# KiCad board Lime_RFE_fab.kicad_pcb (continued)
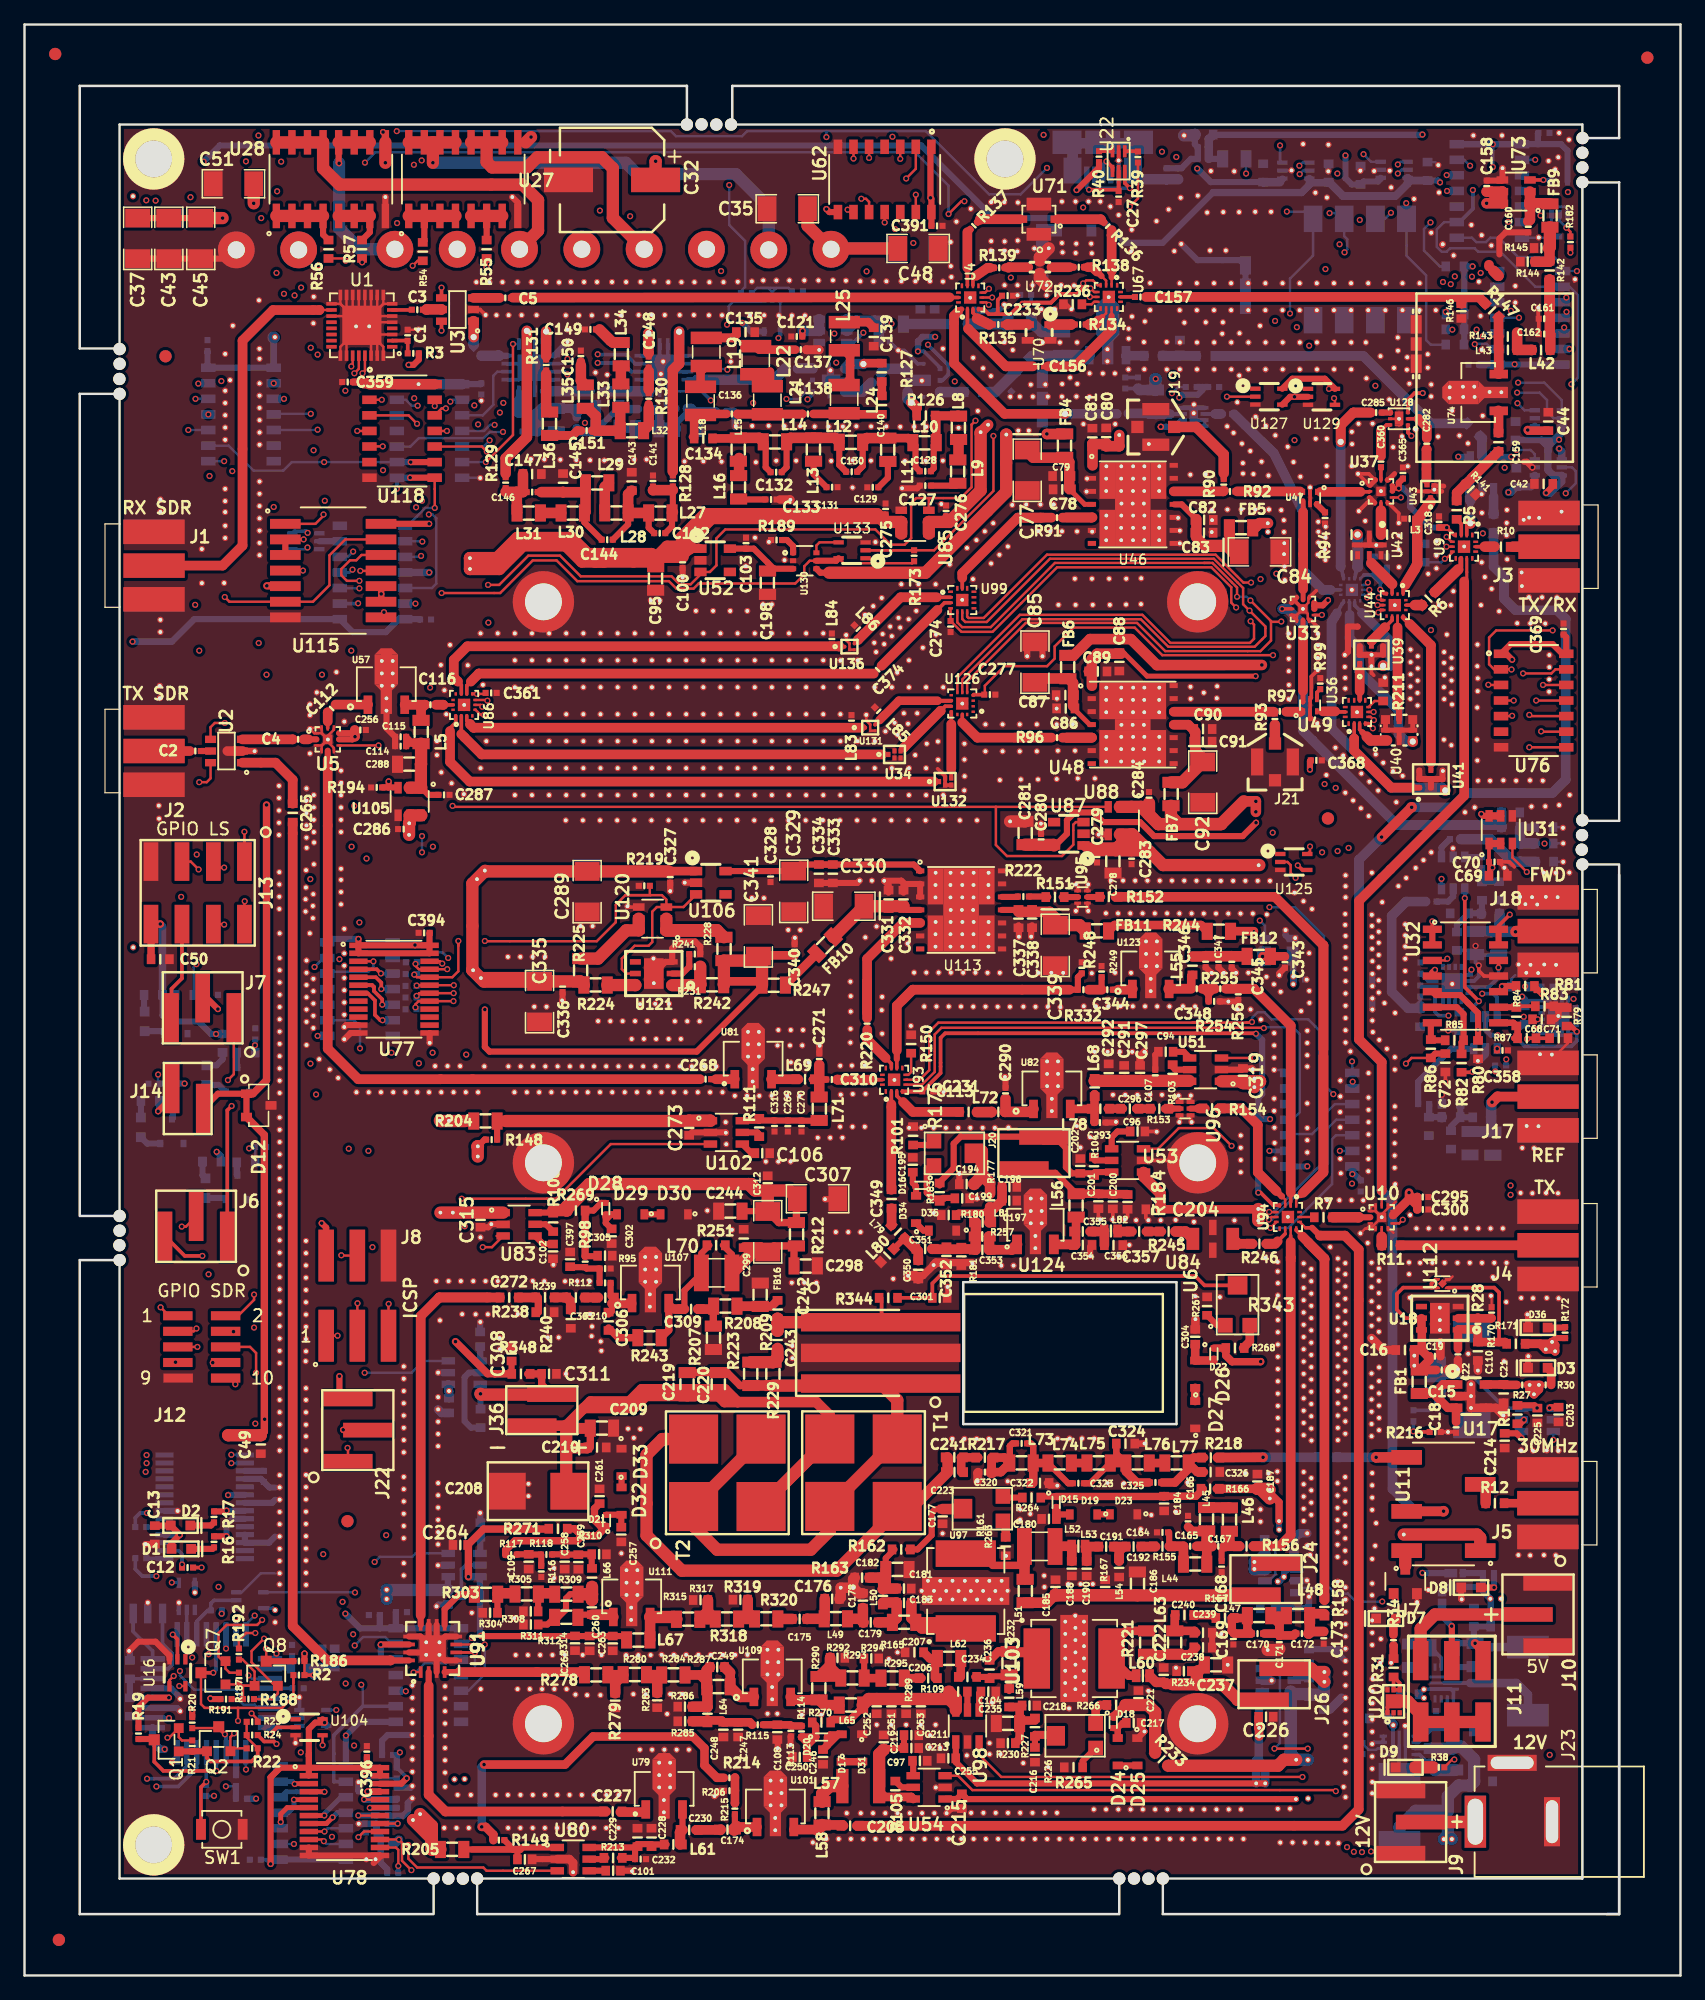
[diagram p0: board, top side]
## Placement (name value [footprint] x y rotation side) (continued)
C286  0.1uF_0402_Murata  [SMD0402]  30.9 93.43 180 top
C287  0.1uF_0402_Murata  [SMD0402]  34.2 96.22 0 top
C288  10uF_1206_Taiyo  [SMD0805]  31.36 98.71 180 top
C289  10uF_1206_Taiyo  [SMD1206]  45.87 88.33 270 top
C290  400f_0402_GJM1555C1HR40WB01D  [SMD0402]  79.98 71.89 90 top
C291  100pF_0603  [SMD0603_gap05]  89.65 73.57 90 top
C292  18pF_0603  [SMD0603]  88.39 73.54 90 top
C293  700f_0402_GRM1555C2AR70BA01D  [SMD0402]  87.67 69.51 0 top
C294  100nF_0603  [SMD0603]  118.13 125.97 315 bottom
C295  100pF_0402_GCM1555C1H101JA16D  [SMD0402]  113.99 63.44 0 top
C296  18pF_0603  [SMD0603]  90.11 70.64 180 top
C297  1nF_0603  [SMD0603_gap05]  90.94 73.57 90 top
C298  1uF_0805  [SMD0805]  63.68 57.83 0 top
C299  100nF_0603  [SMD0603]  58.63 60.06 90 top
C300  100pF_0402_GCM1555C1H101JA16D  [SMD0402]  113.99 62.42 0 top
C301  100nF_0603  [SMD0603_gap05]  74.61 55.23 180 top
C302  100nF_0603  [SMD0603_gap05]  47.86 60.24 270 top
C303  100nF_0603  [SMD0603]  44.95 55.25 180 top
C304  100nF_0603  [SMD0603_gap05]  95.44 52.05 90 top
C305  100nF_0603  [SMD0603_gap05]  47.32 58.66 0 top
C306  1500pF_0603  [SMD0603]  47.61 53.31 90 top
C307  10uF_1206_Taiyo  [SMD1206]  64.65 63.3 0 top
C308  100nF_0603  [SMD0603_gap05]  39.71 50.68 90 top
C309  100nF_0603  [SMD0603]  54.34 54.31 180 top
C310  56pF_0402_GCM1555C1H560JA16D  [SMD0402]  65.81 73.02 0 top
C311  1nF_0603  [SMD0603_gap05]  42.76 49.03 0 top
C312  1nF_0603  [SMD0603_gap05]  60.59 64.57 90 top
C313  100nF_0603  [SMD0603]  119.77 118.35 90 bottom
C314  100pF_0402_GCM1555C1H101JA16D  [SMD0402]  115.31 118.47 90 bottom
C315  1uF_0603  [SMD0603_gap05]  37.17 61.58 90 top
C316  100nF_0402  [SMD0402]  61.14 69.23 270 top
C317  1uF_0603  [SMD0603_gap05]  34.61 46.45 90 bottom
C318  100pF_0402_GCM1555C1H101JA16D  [SMD0402]  115.32 118.46 90 top
C319  1uF_0603  [SMD0603_gap05]  99.33 73.33 270 top
C320  91pF_0402_GRM1555C1H910GA01D  [SMD0402]  78.29 41.02 180 top
C321  18pF_0402_GJM1555C1H180GB01D  [SMD0402]  81.29 43.36 180 top
C322  180pF_0603_06035A181GAT2A  [SMD0603]  82.78 40.13 0 top
C323  27pF_0402_04025U270GAT2A  [SMD0402]  85.91 40.11 180 top
C324  180pF_0603_06035A181GAT2A  [SMD0603]  89.76 43.35 0 top
C325  6pF_0402_GCM1555C1H6R0FA16D  [SMD0402]  92.2 40.18 180 top
C326  100pF_0603_06035A101GAT2A  [SMD0603]  96.69 41.03 0 top
C327  0.1uF_0402_Murata  [SMD0402]  52.64 89.52 270 top
C328  0.1uF_0402_Murata  [SMD0402]  60.82 89.56 270 top
C329  10uF_1206_Taiyo  [SMD1206]  62.71 88.36 270 top
C330  10uF_1206_Tantalum_Kemet  [SMD1206_TANTAL]  66.79 87.14 180 top
C331  0.1uF_0603_Murata  [SMD0603]  70.44 87.7 90 top
C332  1nF_0603_Murata_GCJ  [SMD0603]  71.65 87.7 90 top
C333  0.01uF_0603_Murata  [SMD0603]  65.89 89.79 270 top
C334  100pF_0603_Murata_GCM  [SMD0603]  64.76 89.79 270 top
C335  10uF_1206_Taiyo  [SMD1206]  41.99 79.37 270 top
C336  0.1uF_0402_Murata  [SMD0402]  43.86 80.59 270 top
C337  1nF_0603_Murata_GCJ  [SMD0603]  81.03 86.13 270 top
C338  0.1uF_0603_Murata  [SMD0603]  82.14 86.14 270 top
C339  10uF_1206_Tantalum_Kemet  [SMD1206_TANTAL]  84.03 83.95 270 top
C340  0.1uF_0402_Murata  [SMD0402]  62.78 83.59 90 top
C341  10uF_1206_Taiyo  [SMD1206]  59.83 84.73 90 top
C342  100nF_0402  [SMD0402]  103.95 81.16 0 bottom
C343  100nF_0402  [SMD0402]  102.75 82.58 270 top
C344  15pF_0402_Murata  [SMD0402]  88.27 80.34 180 top
C345  100nF_0402  [SMD0402]  98.42 82.61 270 top
C346  100pF_0402_Murata  [SMD0402]  96.29 82.62 90 top
C347  15pF_0402_Murata  [SMD0402]  97.34 82.62 90 top
C348  15pF_0402_Murata  [SMD0402]  95.57 80.42 180 top
C349  8.2pF_0603_KEMET  [SMD0603]  70.69 63.28 90 top
C350  3.3pF_0603_KEMET  [SMD0603]  72.86 57.51 90 top
C351  1.2pF_0603_KEMET  [SMD0603]  73.42 59.22 180 top
C352  3.9pF_0603_KEMET  [SMD0603]  75.16 58.64 270 top
C353  22pF_0603  [SMD0603]  78.09 59.14 180 top
C354  5pF_0603_KEMET  [SMD0603]  86.27 59.53 0 top
C355  0R_0603  [SMD0603]  86.27 60.63 180 top
C356  2.7pF_0603_KEMET  [SMD0603]  88.78 59.52 0 top
C357  1000pF_0603_KEMET  [SMD0603]  90.87 60.63 180 top
C358  1uF_0402_Murata  [SMD0402]  120.49 75.4 180 top
C359  100nF_0402  [SMD0402]  26.35 129.87 0 top
C360  1000pF_0402_Murata  [SMD0402]  110.58 123.38 270 top
C361  100pF_0402_GCM1555C1H101JA16D  [SMD0402]  38.04 104.53 0 top
C362  100nF_0402  [SMD0402]  118.17 131.28 0 bottom
C363  100pF_0402_GCM1555C1H101JA16D  [SMD0402]  111.05 115.18 90 bottom
C364  100pF_0402_GCM1555C1H101JA16D  [SMD0402]  110.08 115.2 90 bottom
C365  100pF_0402_GCM1555C1H101JA16D  [SMD0402]  112.37 122.45 90 top
C368  100pF_0402_GCM1555C1H101JA16D  [SMD0402]  105.31 99.03 0 top
C369  100nF_0402  [SMD0402]  125.47 109.74 270 top
C374  1000pF_0402_Murata  [SMD0402]  69.55 106.42 45 top
C390  100nF_0402  [SMD0402]  37.24 129.31 90 bottom
C391  100nF_0402  [SMD0402]  74.39 142.59 180 top
C392  100nF_0402  [SMD0402]  123.87 150.16 180 bottom
C393  100nF_0402  [SMD0402]  108.93 64.35 90 bottom
C394  100nF_0402  [SMD0402]  32.58 84.97 0 top
C395  100nF_0402  [SMD0402]  28.52 29.37 0 bottom
C396  100nF_0402  [SMD0402]  27.91 18.25 270 top
C397  100nF_0603  [SMD0603_gap05]  44.48 58.36 90 top
C398  100nF_0402  [SMD0402]  32.7 110.51 180 bottom
C399  100nF_0402  [SMD0402]  14.92 132.82 270 bottom
CON1  47346-0001  [USB-MINI-B]  87.9 149.4 0 bottom
D1  LED0603_RED  [LED_0603]  12.78 34.77 0 top
D2  LED0603_GREEN  [LED_0603]  12.72 36.67 0 top
D3  LED0603_GREEN  [LED_0603]  123.37 49.53 180 top
D4  -  [NSR20F30NXT5G]  119.52 28.93 270 bottom
D5  -  [NSR20F30NXT5G]  115.56 30.56 270 bottom
D6  -  [NSR20F30NXT5G]  116.65 32.79 180 bottom
D7  LED0603_GREEN  [LED_0603]  110.99 29.09 180 top
D8  LED0603_GREEN  [LED_0603]  117.92 31.62 180 top
D9  LED0603_GREEN  [LED_0603]  112.58 16.96 180 top
D10  LED0603_GREEN  [LED_0603]  9.48 69.12 270 bottom
D11  LED0603_GREEN  [LED_0603]  9.8 77.76 270 bottom
D12  -  [GSOT03C-E3-08]  19.09 70.91 270 top
D13  LED0603_GREEN  [LED_0603]  14.81 73.38 270 bottom
D14  LED0603_GREEN  [LED_0603]  14.75 64.17 270 bottom
D15  ZENER_Diode_5.09V  [VMN2]  84.1 38.56 0 top
D16  ZENER_Diode_5.09V  [VMN2]  73.08 64.39 270 top
D17  Diode_BAS16HT1G  [BAS16HT1G]  66.62 18.54 90 top
D18  ZENER_Diode_5.09V  [VMN2]  88.75 20.63 0 top
D19  Diode_BAS16HT1G  [BAS16HT1G]  86.33 37.57 180 top
D20  ZENER_Diode_5.09V  [VMN2]  64.97 19.43 90 top
D21  ZENER_Diode_5.09V  [VMN2]  47.44 37.07 180 top
D22  ZENER_Diode_5.09V  [VMN2]  96.96 50.65 0 top
D23  Diode_BAS16HT1G  [BAS16HT1G]  89.6 37.58 180 top
D24  Diode_BAS16HT1G  [BAS16HT1G]  89.12 18.23 90 top
D25  Diode_BAS16HT1G  [BAS16HT1G]  90.72 18.23 270 top
D26  Diode_BAS16HT1G  [BAS16HT1G]  95.44 49 90 top
D27  Diode_BAS16HT1G  [BAS16HT1G]  95.44 45.7 90 top
D28  ZENER_Diode_5.09V  [VMN2]  47.38 62.49 0 top
D29  Diode_BAS16HT1G  [BAS16HT1G]  49.41 62.03 180 top
D30  Diode_BAS16HT1G  [BAS16HT1G]  52.97 62.03 180 top
D31  Diode_BAS16HT1G  [BAS16HT1G]  68.29 18.55 270 top
D32  Diode_BAS16HT1G  [BAS16HT1G]  48.67 38.66 270 top
D33  Diode_BAS16HT1G  [BAS16HT1G]  48.67 41.82 270 top
D34  Diode_BAS16HT1G  [BAS16HT1G]  72.68 62.43 90 top
D35  Diode_BAS16HT1G  [BAS16HT1G]  74.84 60.71 180 top
D36  LED0603_GREEN  [LED_0603]  123.37 52.8 180 top
FB1  FB_60R_0805  [SMD0805]  113.71 48.38 270 top
FB2  10uH_0603_TDK  [SMD0603]  22.47 25.01 0 bottom
FB3  FB_600R_2A_0805  [SMD0805]  98.63 148.05 180 bottom
FB4  FB_600R_2A_0805  [SMD0805]  84.79 124.68 270 top
FB5  FB_600R_2A_0805  [SMD0805]  99.17 117.98 180 top
FB6  FB_600R_2A_0805  [SMD0805]  85.05 106.63 270 top
FB7  FB_600R_2A_0805  [SMD0805]  93.46 96.29 90 top
FB8  FB_600R_2A_0805  [SMD0805]  70.7 134.58 180 bottom
FB9  FB_600R_2A_0805  [SMD0805]  124.35 143.43 90 top
FB10  FB_600R_2A_0805  [SMD0805]  65.26 83.97 45 top
FB11  FB_600R_2A_0805  [SMD0805]  87.43 85.12 180 top
FB12  FB_600R_2A_0805  [SMD0805]  100.62 83.06 0 top
FB16  MH3261-601Y  [SMD1206]  60.59 60.61 270 top
GND_VIA  VAL**  [GND_VIA]  83.9 119.88 0 top
GND_VIA#2  VAL**  [GND_VIA]  83.9 119.88 0 top
GND_VIA#3  VAL**  [GND_VIA]  86.62 121.99 0 top
GND_VIA#4  VAL**  [GND_VIA]  86.58 120.93 0 top
GND_VIA#5  VAL**  [GND_VIA]  82.82 119.88 0 top
GND_VIA#6  VAL**  [GND_VIA]  81.66 119.88 0 top
GND_VIA#7  VAL**  [GND_VIA]  94.04 118.79 0 top
GND_VIA#8  VAL**  [GND_VIA]  94.18 117.75 0 top
GND_VIA#9  VAL**  [GND_VIA]  94.18 116.71 0 top
GND_VIA#10  VAL**  [GND_VIA]  95.04 122.31 0 top
GND_VIA#11  VAL**  [GND_VIA]  96.3 122.35 0 top
GND_VIA#12  VAL**  [GND_VIA]  101.44 119.47 0 top
GND_VIA#13  VAL**  [GND_VIA]  101.44 119.47 0 top
GND_VIA#14  VAL**  [GND_VIA]  100.36 119.47 0 top
GND_VIA#15  VAL**  [GND_VIA]  99.2 119.47 0 top
GND_VIA#16  VAL**  [GND_VIA]  98.06 119.47 0 top
GND_VIA#17  VAL**  [GND_VIA]  96.8 119.43 0 top
GND_VIA#18  VAL**  [GND_VIA]  87.04 117.67 0 top
GND_VIA#19  VAL**  [GND_VIA]  41.74 135.31 0 top
GND_VIA#20  VAL**  [GND_VIA]  84.58 117.7 0 top
GND_VIA#21  VAL**  [GND_VIA]  104.8 121.27 0 top
GND_VIA#22  VAL**  [GND_VIA]  96.14 104.55 0 top
GND_VIA#23  VAL**  [GND_VIA]  89.8 111.73 0 top
GND_VIA#24  VAL**  [GND_VIA]  85.48 101.98 0 top
GND_VIA#25  VAL**  [GND_VIA]  84.16 104.06 0 top
GND_VIA#26  VAL**  [GND_VIA]  104.28 50.03 0 top
GND_VIA#27  VAL**  [GND_VIA]  104.28 51.03 0 top
GND_VIA#28  VAL**  [GND_VIA]  104.28 53.03 0 top
GND_VIA#29  VAL**  [GND_VIA]  104.28 52.03 0 top
GND_VIA#30  VAL**  [GND_VIA]  104.28 48.03 0 top
GND_VIA#31  VAL**  [GND_VIA]  104.28 49.03 0 top
GND_VIA#32  VAL**  [GND_VIA]  104.28 47.03 0 top
GND_VIA#33  VAL**  [GND_VIA]  104.28 46.03 0 top
GND_VIA#34  VAL**  [GND_VIA]  104.28 54.03 0 top
GND_VIA#35  VAL**  [GND_VIA]  104.28 55.03 0 top
GND_VIA#36  VAL**  [GND_VIA]  104.28 57.03 0 top
GND_VIA#37  VAL**  [GND_VIA]  104.28 56.03 0 top
GND_VIA#38  VAL**  [GND_VIA]  90.07 59.53 0 top
GND_VIA#39  VAL**  [GND_VIA]  104.28 58.03 0 top
GND_VIA#40  VAL**  [GND_VIA]  109.87 28.93 0 top
GND_VIA#41  VAL**  [GND_VIA]  110.05 29.9 0 top
GND_VIA#42  VAL**  [GND_VIA]  109.87 31.94 0 top
GND_VIA#43  VAL**  [GND_VIA]  109.86 30.98 0 top
GND_VIA#44  VAL**  [GND_VIA]  109.87 26.93 0 top
GND_VIA#45  VAL**  [GND_VIA]  109.87 27.93 0 top
GND_VIA#46  VAL**  [GND_VIA]  110.57 27.43 0 top
GND_VIA#47  VAL**  [GND_VIA]  109.87 33.94 0 top
GND_VIA#48  VAL**  [GND_VIA]  110.11 35.02 0 top
GND_VIA#49  VAL**  [GND_VIA]  109.87 38.94 0 top
GND_VIA#50  VAL**  [GND_VIA]  109.87 39.94 0 top
GND_VIA#51  VAL**  [GND_VIA]  109.87 37.94 0 top
GND_VIA#52  VAL**  [GND_VIA]  110.19 36.86 0 top
GND_VIA#53  VAL**  [GND_VIA]  109.82 52.94 0 top
GND_VIA#54  VAL**  [GND_VIA]  109.82 53.94 0 top
GND_VIA#55  VAL**  [GND_VIA]  109.82 54.94 0 top
GND_VIA#56  VAL**  [GND_VIA]  109.82 51.94 0 top
GND_VIA#57  VAL**  [GND_VIA]  109.87 40.94 0 top
GND_VIA#58  VAL**  [GND_VIA]  109.82 43.94 0 top
GND_VIA#59  VAL**  [GND_VIA]  109.82 46.94 0 top
GND_VIA#60  VAL**  [GND_VIA]  109.82 47.94 0 top
GND_VIA#61  VAL**  [GND_VIA]  109.82 45.94 0 top
GND_VIA#62  VAL**  [GND_VIA]  109.82 44.94 0 top
GND_VIA#63  VAL**  [GND_VIA]  104.57 35.03 0 top
GND_VIA#64  VAL**  [GND_VIA]  104.57 36.03 0 top
GND_VIA#65  VAL**  [GND_VIA]  104.28 38.03 0 top
GND_VIA#66  VAL**  [GND_VIA]  104.28 37.03 0 top
GND_VIA#67  VAL**  [GND_VIA]  104.28 39.03 0 top
GND_VIA#68  VAL**  [GND_VIA]  104.28 40.03 0 top
GND_VIA#69  VAL**  [GND_VIA]  104.28 41.03 0 top
GND_VIA#70  VAL**  [GND_VIA]  104.28 45.03 0 top
GND_VIA#71  VAL**  [GND_VIA]  104.28 44.03 0 top
GND_VIA#72  VAL**  [GND_VIA]  107.07 45.63 0 top
GND_VIA#73  VAL**  [GND_VIA]  107.07 46.63 0 top
GND_VIA#74  VAL**  [GND_VIA]  107.07 48.63 0 top
GND_VIA#75  VAL**  [GND_VIA]  107.07 47.63 0 top
GND_VIA#76  VAL**  [GND_VIA]  107.07 43.63 0 top
GND_VIA#77  VAL**  [GND_VIA]  107.07 44.63 0 top
GND_VIA#78  VAL**  [GND_VIA]  107.07 49.63 0 top
GND_VIA#79  VAL**  [GND_VIA]  107.07 50.63 0 top
GND_VIA#80  VAL**  [GND_VIA]  107.07 52.63 0 top
GND_VIA#81  VAL**  [GND_VIA]  107.07 51.63 0 top
GND_VIA#82  VAL**  [GND_VIA]  107.07 55.63 0 top
GND_VIA#83  VAL**  [GND_VIA]  107.07 56.63 0 top
GND_VIA#84  VAL**  [GND_VIA]  107.07 54.63 0 top
GND_VIA#85  VAL**  [GND_VIA]  107.07 53.63 0 top
GND_VIA#86  VAL**  [GND_VIA]  107.66 38.62 0 top
GND_VIA#87  VAL**  [GND_VIA]  107.66 39.62 0 top
GND_VIA#88  VAL**  [GND_VIA]  107.66 40.62 0 top
GND_VIA#89  VAL**  [GND_VIA]  107.66 36.62 0 top
GND_VIA#90  VAL**  [GND_VIA]  107.66 37.62 0 top
GND_VIA#91  VAL**  [GND_VIA]  107.66 35.62 0 top
GND_VIA#92  VAL**  [GND_VIA]  107.66 34.62 0 top
GND_VIA#93  VAL**  [GND_VIA]  107.69 26.63 0 top
GND_VIA#94  VAL**  [GND_VIA]  107.69 27.63 0 top
GND_VIA#95  VAL**  [GND_VIA]  107.69 29.63 0 top
GND_VIA#96  VAL**  [GND_VIA]  107.69 28.63 0 top
GND_VIA#97  VAL**  [GND_VIA]  107.69 31.63 0 top
GND_VIA#98  VAL**  [GND_VIA]  107.69 30.63 0 top
GND_VIA#99  VAL**  [GND_VIA]  107.07 58.43 0 top
GND_VIA#100  VAL**  [GND_VIA]  107.07 57.53 0 top
GND_VIA#101  VAL**  [GND_VIA]  107.69 14.53 0 top
GND_VIA#102  VAL**  [GND_VIA]  107.54 15.37 0 top
GND_VIA#103  VAL**  [GND_VIA]  107.69 16.53 0 top
GND_VIA#104  VAL**  [GND_VIA]  107.69 22.63 0 top
GND_VIA#105  VAL**  [GND_VIA]  107.69 17.53 0 top
GND_VIA#106  VAL**  [GND_VIA]  107.69 25.63 0 top
GND_VIA#107  VAL**  [GND_VIA]  107.69 24.63 0 top
GND_VIA#108  VAL**  [GND_VIA]  107.69 23.63 0 top
GND_VIA#109  VAL**  [GND_VIA]  109.87 14.84 0 top
GND_VIA#110  VAL**  [GND_VIA]  109.87 15.77 0 top
GND_VIA#111  VAL**  [GND_VIA]  109.87 17.84 0 top
GND_VIA#112  VAL**  [GND_VIA]  109.87 16.84 0 top
GND_VIA#113  VAL**  [GND_VIA]  109.14 63.17 90 top
GND_VIA#114  VAL**  [GND_VIA]  108.19 63.18 90 top
GND_VIA#115  VAL**  [GND_VIA]  106.19 63.18 90 top
GND_VIA#116  VAL**  [GND_VIA]  107.19 63.18 90 top
GND_VIA#117  VAL**  [GND_VIA]  110.64 61.79 90 top
GND_VIA#118  VAL**  [GND_VIA]  109.5 59.7 90 top
GND_VIA#119  VAL**  [GND_VIA]  108.91 60.48 90 top
GND_VIA#120  VAL**  [GND_VIA]  33.72 46.13 0 top
GND_VIA#121  VAL**  [GND_VIA]  33.72 47.13 0 top
GND_VIA#122  VAL**  [GND_VIA]  33.72 49.13 0 top
GND_VIA#123  VAL**  [GND_VIA]  33.72 44.13 0 top
GND_VIA#124  VAL**  [GND_VIA]  33.72 45.13 0 top
GND_VIA#125  VAL**  [GND_VIA]  33.72 43.13 0 top
GND_VIA#126  VAL**  [GND_VIA]  33.71 33.43 0 top
GND_VIA#127  VAL**  [GND_VIA]  33.72 35.13 0 top
GND_VIA#128  VAL**  [GND_VIA]  33.72 37.13 0 top
GND_VIA#129  VAL**  [GND_VIA]  33.72 36.13 0 top
GND_VIA#130  VAL**  [GND_VIA]  33.72 40.13 0 top
GND_VIA#131  VAL**  [GND_VIA]  33.72 39.13 0 top
GND_VIA#132  VAL**  [GND_VIA]  33.72 38.13 0 top
GND_VIA#133  VAL**  [GND_VIA]  30.92 38.63 0 top
GND_VIA#134  VAL**  [GND_VIA]  30.92 39.63 0 top
GND_VIA#135  VAL**  [GND_VIA]  30.92 40.63 0 top
GND_VIA#136  VAL**  [GND_VIA]  30.92 36.63 0 top
GND_VIA#137  VAL**  [GND_VIA]  30.92 37.63 0 top
GND_VIA#138  VAL**  [GND_VIA]  30.92 35.63 0 top
GND_VIA#139  VAL**  [GND_VIA]  30.92 42.63 0 top
GND_VIA#140  VAL**  [GND_VIA]  30.92 43.63 0 top
GND_VIA#141  VAL**  [GND_VIA]  30.92 45.63 0 top
GND_VIA#142  VAL**  [GND_VIA]  30.92 44.63 0 top
GND_VIA#143  VAL**  [GND_VIA]  30.92 48.63 0 top
GND_VIA#144  VAL**  [GND_VIA]  30.92 49.63 0 top
GND_VIA#145  VAL**  [GND_VIA]  30.92 47.63 0 top
GND_VIA#146  VAL**  [GND_VIA]  30.92 46.63 0 top
GND_VIA#147  VAL**  [GND_VIA]  104.37 10.83 90 top
GND_VIA#148  VAL**  [GND_VIA]  103.37 10.83 90 top
GND_VIA#149  VAL**  [GND_VIA]  102.37 10.83 90 top
GND_VIA#150  VAL**  [GND_VIA]  98.37 11.12 90 top
GND_VIA#151  VAL**  [GND_VIA]  97.37 11.12 90 top
GND_VIA#152  VAL**  [GND_VIA]  99.37 11.12 90 top
GND_VIA#153  VAL**  [GND_VIA]  84.37 11.12 90 top
GND_VIA#154  VAL**  [GND_VIA]  83.37 11.12 90 top
GND_VIA#155  VAL**  [GND_VIA]  81.37 11.12 90 top
GND_VIA#156  VAL**  [GND_VIA]  82.37 11.12 90 top
GND_VIA#157  VAL**  [GND_VIA]  86.37 11.12 90 top
GND_VIA#158  VAL**  [GND_VIA]  85.37 11.12 90 top
GND_VIA#159  VAL**  [GND_VIA]  87.37 11.12 90 top
GND_VIA#160  VAL**  [GND_VIA]  88.37 11.12 90 top
GND_VIA#161  VAL**  [GND_VIA]  96.37 11.12 90 top
GND_VIA#162  VAL**  [GND_VIA]  95.37 11.12 90 top
GND_VIA#163  VAL**  [GND_VIA]  93.37 11.12 90 top
GND_VIA#164  VAL**  [GND_VIA]  94.37 11.12 90 top
GND_VIA#165  VAL**  [GND_VIA]  90.37 11.12 90 top
GND_VIA#166  VAL**  [GND_VIA]  89.37 11.12 90 top
GND_VIA#167  VAL**  [GND_VIA]  91.37 11.12 90 top
GND_VIA#168  VAL**  [GND_VIA]  92.37 11.12 90 top
GND_VIA#169  VAL**  [GND_VIA]  80.37 11.12 90 top
GND_VIA#170  VAL**  [GND_VIA]  77.37 11.12 90 top
GND_VIA#171  VAL**  [GND_VIA]  76.37 11.12 90 top
GND_VIA#172  VAL**  [GND_VIA]  78.37 11.12 90 top
GND_VIA#173  VAL**  [GND_VIA]  79.37 11.12 90 top
GND_VIA#174  VAL**  [GND_VIA]  75.37 11.12 90 top
GND_VIA#175  VAL**  [GND_VIA]  74.37 11.12 90 top
GND_VIA#176  VAL**  [GND_VIA]  72.37 11.12 90 top
GND_VIA#177  VAL**  [GND_VIA]  73.37 11.12 90 top
GND_VIA#178  VAL**  [GND_VIA]  69.37 11.12 90 top
GND_VIA#179  VAL**  [GND_VIA]  68.37 11.12 90 top
GND_VIA#180  VAL**  [GND_VIA]  70.37 11.12 90 top
GND_VIA#181  VAL**  [GND_VIA]  71.37 11.12 90 top
GND_VIA#182  VAL**  [GND_VIA]  71.17 13.23 90 top
GND_VIA#183  VAL**  [GND_VIA]  70.17 13.23 90 top
GND_VIA#184  VAL**  [GND_VIA]  68.17 13.23 90 top
GND_VIA#185  VAL**  [GND_VIA]  69.17 13.23 90 top
GND_VIA#186  VAL**  [GND_VIA]  73.17 13.23 90 top
GND_VIA#187  VAL**  [GND_VIA]  72.17 13.23 90 top
GND_VIA#188  VAL**  [GND_VIA]  74.17 13.23 90 top
GND_VIA#189  VAL**  [GND_VIA]  75.17 13.23 90 top
GND_VIA#190  VAL**  [GND_VIA]  79.17 13.25 90 top
GND_VIA#191  VAL**  [GND_VIA]  78.17 13.25 90 top
GND_VIA#192  VAL**  [GND_VIA]  77.17 13.25 90 top
GND_VIA#193  VAL**  [GND_VIA]  80.17 13.25 90 top
GND_VIA#194  VAL**  [GND_VIA]  92.17 13.53 90 top
GND_VIA#195  VAL**  [GND_VIA]  91.17 13.53 90 top
GND_VIA#196  VAL**  [GND_VIA]  89.17 13.53 90 top
GND_VIA#197  VAL**  [GND_VIA]  90.17 13.53 90 top
GND_VIA#198  VAL**  [GND_VIA]  94.17 13.53 90 top
GND_VIA#199  VAL**  [GND_VIA]  93.17 13.53 90 top
GND_VIA#200  VAL**  [GND_VIA]  95.17 13.53 90 top
GND_VIA#201  VAL**  [GND_VIA]  96.17 13.53 90 top
GND_VIA#202  VAL**  [GND_VIA]  88.17 13.53 90 top
GND_VIA#203  VAL**  [GND_VIA]  87.17 13.53 90 top
GND_VIA#204  VAL**  [GND_VIA]  82.17 13.25 90 top
GND_VIA#205  VAL**  [GND_VIA]  81.17 13.25 90 top
GND_VIA#206  VAL**  [GND_VIA]  83.17 13.25 90 top
GND_VIA#207  VAL**  [GND_VIA]  84.17 13.25 90 top
GND_VIA#208  VAL**  [GND_VIA]  99.17 13.53 90 top
GND_VIA#209  VAL**  [GND_VIA]  97.17 13.53 90 top
GND_VIA#210  VAL**  [GND_VIA]  98.17 13.53 90 top
GND_VIA#211  VAL**  [GND_VIA]  103.17 13.6 90 top
GND_VIA#212  VAL**  [GND_VIA]  86.87 58.63 0 top
GND_VIA#213  VAL**  [GND_VIA]  89.17 58.63 0 top
GND_VIA#214  VAL**  [GND_VIA]  105.38 102.03 0 top
GND_VIA#215  VAL**  [GND_VIA]  78.87 22.23 90 top
GND_VIA#216  VAL**  [GND_VIA]  71.17 26.33 90 top
GND_VIA#217  VAL**  [GND_VIA]  74.27 20.43 90 top
GND_VIA#218  VAL**  [GND_VIA]  73.07 20.43 90 top
GND_VIA#219  VAL**  [GND_VIA]  71.87 20.43 90 top
GND_VIA#220  VAL**  [GND_VIA]  69.47 20.43 90 top
GND_VIA#221  VAL**  [GND_VIA]  70.67 20.43 90 top
GND_VIA#222  VAL**  [GND_VIA]  63.37 21.25 90 top
GND_VIA#223  VAL**  [GND_VIA]  60.57 21.33 90 top
GND_VIA#224  VAL**  [GND_VIA]  61.37 21.33 90 top
GND_VIA#225  VAL**  [GND_VIA]  104.63 17.57 90 top
GND_VIA#226  VAL**  [GND_VIA]  103.67 17.58 90 top
GND_VIA#227  VAL**  [GND_VIA]  98.09 25.32 0 top
GND_VIA#228  VAL**  [GND_VIA]  97.57 27.83 0 top
GND_VIA#229  VAL**  [GND_VIA]  105.97 23.93 90 top
GND_VIA#230  VAL**  [GND_VIA]  105.97 24.73 90 top
GND_VIA#231  VAL**  [GND_VIA]  101.67 24.03 0 top
GND_VIA#232  VAL**  [GND_VIA]  79.57 18.03 0 top
GND_VIA#233  VAL**  [GND_VIA]  78.67 18.93 0 top
GND_VIA#234  VAL**  [GND_VIA]  76.82 17.93 0 top
GND_VIA#235  VAL**  [GND_VIA]  78.67 18.03 0 top
GND_VIA#236  VAL**  [GND_VIA]  81.42 17.31 0 top
GND_VIA#237  VAL**  [GND_VIA]  83.45 16.98 0 top
GND_VIA#238  VAL**  [GND_VIA]  91.3 19.88 90 top
GND_VIA#239  VAL**  [GND_VIA]  64.95 21.26 90 top
GND_VIA#240  VAL**  [GND_VIA]  74.29 15.32 90 top
GND_VIA#241  VAL**  [GND_VIA]  43.16 33.2 90 top
GND_VIA#242  VAL**  [GND_VIA]  43.17 32.39 90 top
GND_VIA#243  VAL**  [GND_VIA]  62.6 51.31 0 top
GND_VIA#244  VAL**  [GND_VIA]  62.6 50.31 0 top
GND_VIA#245  VAL**  [GND_VIA]  87.09 31.9 90 top
GND_VIA#246  VAL**  [GND_VIA]  86.09 31.9 90 top
GND_VIA#247  VAL**  [GND_VIA]  85.09 31.9 90 top
GND_VIA#248  VAL**  [GND_VIA]  83.12 32.58 90 top
GND_VIA#249  VAL**  [GND_VIA]  83.15 31.66 90 top
GND_VIA#250  VAL**  [GND_VIA]  104.55 32.19 0 top
GND_VIA#251  VAL**  [GND_VIA]  104.72 30.87 0 top
GND_VIA#252  VAL**  [GND_VIA]  100.26 33.7 0 top
GND_VIA#253  VAL**  [GND_VIA]  100.26 33.13 0 top
GND_VIA#254  VAL**  [GND_VIA]  102.28 36.33 0 top
GND_VIA#255  VAL**  [GND_VIA]  102.27 37.03 0 top
GND_VIA#256  VAL**  [GND_VIA]  44.72 8.42 90 top
GND_VIA#257  VAL**  [GND_VIA]  49.52 8.5 90 top
GND_VIA#258  VAL**  [GND_VIA]  42.42 12.02 90 top
GND_VIA#259  VAL**  [GND_VIA]  41.42 12.02 90 top
GND_VIA#260  VAL**  [GND_VIA]  39.42 12.02 90 top
GND_VIA#261  VAL**  [GND_VIA]  40.42 12.02 90 top
GND_VIA#262  VAL**  [GND_VIA]  44.42 12.02 90 top
GND_VIA#263  VAL**  [GND_VIA]  43.42 12.02 90 top
GND_VIA#264  VAL**  [GND_VIA]  45.42 12.02 90 top
GND_VIA#265  VAL**  [GND_VIA]  46.42 12.02 90 top
GND_VIA#266  VAL**  [GND_VIA]  47.42 12.02 90 top
GND_VIA#267  VAL**  [GND_VIA]  48.42 12.02 90 top
GND_VIA#268  VAL**  [GND_VIA]  48.43 14.71 90 top
GND_VIA#269  VAL**  [GND_VIA]  47.43 14.71 90 top
GND_VIA#270  VAL**  [GND_VIA]  46.43 14.71 90 top
GND_VIA#271  VAL**  [GND_VIA]  45.43 14.71 90 top
GND_VIA#272  VAL**  [GND_VIA]  43.43 14.71 90 top
GND_VIA#273  VAL**  [GND_VIA]  44.43 14.71 90 top
GND_VIA#274  VAL**  [GND_VIA]  40.43 14.71 90 top
GND_VIA#275  VAL**  [GND_VIA]  36.38 14.71 90 top
GND_VIA#276  VAL**  [GND_VIA]  41.43 14.71 90 top
GND_VIA#277  VAL**  [GND_VIA]  42.43 14.71 90 top
GND_VIA#278  VAL**  [GND_VIA]  50.16 18.4 90 top
GND_VIA#279  VAL**  [GND_VIA]  51.16 18.4 90 top
GND_VIA#280  VAL**  [GND_VIA]  52.16 18.4 90 top
GND_VIA#281  VAL**  [GND_VIA]  53.16 18.4 90 top
GND_VIA#282  VAL**  [GND_VIA]  54.16 18.4 90 top
GND_VIA#283  VAL**  [GND_VIA]  73.82 19.59 90 top
GND_VIA#284  VAL**  [GND_VIA]  73.81 18.6 90 top
GND_VIA#285  VAL**  [GND_VIA]  74.64 18.56 90 top
GND_VIA#286  VAL**  [GND_VIA]  77.69 40.27 0 top
GND_VIA#287  VAL**  [GND_VIA]  81.16 37.15 0 top
GND_VIA#288  VAL**  [GND_VIA]  80.15 40.27 0 top
GND_VIA#289  VAL**  [GND_VIA]  90.99 36.37 0 top
GND_VIA#290  VAL**  [GND_VIA]  84.2 39.92 0 top
GND_VIA#291  VAL**  [GND_VIA]  74.84 36.02 0 top
GND_VIA#292  VAL**  [GND_VIA]  81.16 37.98 0 top
GND_VIA#293  VAL**  [GND_VIA]  81.99 37.61 0 top
GND_VIA#294  VAL**  [GND_VIA]  91.86 37.52 0 top
GND_VIA#295  VAL**  [GND_VIA]  88.3 40.13 0 top
GND_VIA#296  VAL**  [GND_VIA]  89.61 40.09 0 top
GND_VIA#297  VAL**  [GND_VIA]  94.8 40.18 0 top
GND_VIA#298  VAL**  [GND_VIA]  66.37 11.12 90 top
GND_VIA#299  VAL**  [GND_VIA]  65.37 11.12 90 top
GND_VIA#300  VAL**  [GND_VIA]  64.27 10.84 90 top
GND_VIA#301  VAL**  [GND_VIA]  67.37 11.12 90 top
GND_VIA#302  VAL**  [GND_VIA]  100.76 36.98 0 top
GND_VIA#303  VAL**  [GND_VIA]  100.76 37.98 0 top
GND_VIA#304  VAL**  [GND_VIA]  102.18 56.42 0 top
GND_VIA#305  VAL**  [GND_VIA]  102.18 55.42 0 top
GND_VIA#306  VAL**  [GND_VIA]  102.18 54.42 0 top
GND_VIA#307  VAL**  [GND_VIA]  102.18 46.42 0 top
GND_VIA#308  VAL**  [GND_VIA]  102.18 47.42 0 top
GND_VIA#309  VAL**  [GND_VIA]  102.18 49.42 0 top
GND_VIA#310  VAL**  [GND_VIA]  102.18 48.42 0 top
GND_VIA#311  VAL**  [GND_VIA]  102.18 52.42 0 top
GND_VIA#312  VAL**  [GND_VIA]  102.18 53.42 0 top
GND_VIA#313  VAL**  [GND_VIA]  102.18 51.42 0 top
GND_VIA#314  VAL**  [GND_VIA]  102.18 50.42 0 top
GND_VIA#315  VAL**  [GND_VIA]  43.55 52 0 top
GND_VIA#316  VAL**  [GND_VIA]  42.66 52 0 top
GND_VIA#317  VAL**  [GND_VIA]  46.26 52.89 0 top
GND_VIA#318  VAL**  [GND_VIA]  46.23 52.1 0 top
GND_VIA#319  VAL**  [GND_VIA]  35.68 53.89 0 top
GND_VIA#320  VAL**  [GND_VIA]  40.22 53.9 0 top
GND_VIA#321  VAL**  [GND_VIA]  47.03 50.91 0 top
GND_VIA#322  VAL**  [GND_VIA]  96.81 118.6 0 top
GND_VIA#323  VAL**  [GND_VIA]  96.78 117.63 0 top
GND_VIA#324  VAL**  [GND_VIA]  102.45 119.42 0 top
GND_VIA#325  VAL**  [GND_VIA]  102.66 118.6 0 top
GND_VIA#326  VAL**  [GND_VIA]  102.67 117.64 0 top
GND_VIA#327  VAL**  [GND_VIA]  102.7 116.72 0 top
GND_VIA#328  VAL**  [GND_VIA]  102.68 115.83 0 top
GND_VIA#329  VAL**  [GND_VIA]  102.71 114.82 0 top
GND_VIA#330  VAL**  [GND_VIA]  102.74 113.72 0 top
GND_VIA#331  VAL**  [GND_VIA]  103.06 109.37 0 top
GND_VIA#332  VAL**  [GND_VIA]  103.07 108.31 0 top
GND_VIA#333  VAL**  [GND_VIA]  103.06 107.31 0 top
GND_VIA#334  VAL**  [GND_VIA]  103.06 106.3 0 top
GND_VIA#335  VAL**  [GND_VIA]  60.9 71.69 90 top
GND_VIA#336  VAL**  [GND_VIA]  59.9 71.69 90 top
GND_VIA#337  VAL**  [GND_VIA]  57.9 71.69 90 top
GND_VIA#338  VAL**  [GND_VIA]  58.9 71.69 90 top
GND_VIA#339  VAL**  [GND_VIA]  56.9 71.98 90 top
GND_VIA#340  VAL**  [GND_VIA]  48.93 71.98 90 top
GND_VIA#341  VAL**  [GND_VIA]  50.93 71.98 90 top
GND_VIA#342  VAL**  [GND_VIA]  49.93 71.98 90 top
GND_VIA#343  VAL**  [GND_VIA]  51.93 71.98 90 top
GND_VIA#344  VAL**  [GND_VIA]  52.93 71.98 90 top
GND_VIA#345  VAL**  [GND_VIA]  55.89 71.98 90 top
GND_VIA#346  VAL**  [GND_VIA]  53.89 71.98 90 top
GND_VIA#347  VAL**  [GND_VIA]  54.89 71.98 90 top
GND_VIA#348  VAL**  [GND_VIA]  39.94 71.98 90 top
GND_VIA#349  VAL**  [GND_VIA]  36.98 71.98 90 top
GND_VIA#350  VAL**  [GND_VIA]  35.98 71.98 90 top
GND_VIA#351  VAL**  [GND_VIA]  33.98 71.98 90 top
GND_VIA#352  VAL**  [GND_VIA]  34.98 71.98 90 top
GND_VIA#353  VAL**  [GND_VIA]  32.98 71.98 90 top
GND_VIA#354  VAL**  [GND_VIA]  40.95 71.98 90 top
GND_VIA#355  VAL**  [GND_VIA]  42.95 71.98 90 top
GND_VIA#356  VAL**  [GND_VIA]  41.95 71.98 90 top
GND_VIA#357  VAL**  [GND_VIA]  43.95 71.98 90 top
GND_VIA#358  VAL**  [GND_VIA]  44.95 71.98 90 top
GND_VIA#359  VAL**  [GND_VIA]  47.91 71.98 90 top
GND_VIA#360  VAL**  [GND_VIA]  45.91 71.98 90 top
GND_VIA#361  VAL**  [GND_VIA]  46.91 71.98 90 top
GND_VIA#362  VAL**  [GND_VIA]  47.42 74.09 90 top
GND_VIA#363  VAL**  [GND_VIA]  46.42 74.09 90 top
GND_VIA#364  VAL**  [GND_VIA]  48.42 74.09 90 top
GND_VIA#365  VAL**  [GND_VIA]  45.46 74.09 90 top
GND_VIA#366  VAL**  [GND_VIA]  44.46 74.09 90 top
GND_VIA#367  VAL**  [GND_VIA]  42.46 74.09 90 top
GND_VIA#368  VAL**  [GND_VIA]  43.46 74.09 90 top
GND_VIA#369  VAL**  [GND_VIA]  41.46 74.09 90 top
GND_VIA#370  VAL**  [GND_VIA]  33.47 74.11 90 top
GND_VIA#371  VAL**  [GND_VIA]  35.51 74.11 90 top
GND_VIA#372  VAL**  [GND_VIA]  34.49 74.11 90 top
GND_VIA#373  VAL**  [GND_VIA]  37.48 74.09 90 top
GND_VIA#374  VAL**  [GND_VIA]  40.45 74.09 90 top
GND_VIA#375  VAL**  [GND_VIA]  39.45 74.09 90 top
GND_VIA#376  VAL**  [GND_VIA]  55.4 74.09 90 top
GND_VIA#377  VAL**  [GND_VIA]  54.4 74.09 90 top
GND_VIA#378  VAL**  [GND_VIA]  56.4 74.09 90 top
GND_VIA#379  VAL**  [GND_VIA]  53.44 74.09 90 top
GND_VIA#380  VAL**  [GND_VIA]  52.44 74.09 90 top
GND_VIA#381  VAL**  [GND_VIA]  50.44 74.09 90 top
GND_VIA#382  VAL**  [GND_VIA]  51.44 74.09 90 top
GND_VIA#383  VAL**  [GND_VIA]  49.44 74.09 90 top
GND_VIA#384  VAL**  [GND_VIA]  55.66 62.34 90 top
GND_VIA#385  VAL**  [GND_VIA]  43.11 57.92 90 top
GND_VIA#386  VAL**  [GND_VIA]  57.67 60.77 90 top
GND_VIA#387  VAL**  [GND_VIA]  37.17 60.15 90 top
GND_VIA#388  VAL**  [GND_VIA]  46.98 51.67 0 top
GND_VIA#389  VAL**  [GND_VIA]  38.73 51.96 0 top
GND_VIA#390  VAL**  [GND_VIA]  44.13 49.03 0 top
GND_VIA#391  VAL**  [GND_VIA]  38.75 51.04 0 top
GND_VIA#392  VAL**  [GND_VIA]  84.14 103.25 0 top
GND_VIA#393  VAL**  [GND_VIA]  84.14 101.96 90 top
GND_VIA#394  VAL**  [GND_VIA]  104.57 71.08 180 top
GND_VIA#395  VAL**  [GND_VIA]  104.57 74.08 180 top
GND_VIA#396  VAL**  [GND_VIA]  104.57 69.08 180 top
GND_VIA#397  VAL**  [GND_VIA]  104.57 68.08 180 top
GND_VIA#398  VAL**  [GND_VIA]  104.57 67.08 180 top
GND_VIA#399  VAL**  [GND_VIA]  101.91 67.85 180 top
GND_VIA#400  VAL**  [GND_VIA]  101.91 66.54 180 top
GND_VIA#401  VAL**  [GND_VIA]  101.9 69.1 180 top
GND_VIA#402  VAL**  [GND_VIA]  101.87 71.47 180 top
GND_VIA#403  VAL**  [GND_VIA]  101.87 70.47 180 top
GND_VIA#404  VAL**  [GND_VIA]  99.15 67.46 180 top
GND_VIA#405  VAL**  [GND_VIA]  99.15 68.46 180 top
GND_VIA#406  VAL**  [GND_VIA]  99.15 66.46 180 top
GND_VIA#407  VAL**  [GND_VIA]  99.15 65.46 180 top
GND_VIA#408  VAL**  [GND_VIA]  99.95 78.73 90 top
GND_VIA#409  VAL**  [GND_VIA]  100.79 77.91 90 top
GND_VIA#410  VAL**  [GND_VIA]  102.41 80.17 90 top
GND_VIA#411  VAL**  [GND_VIA]  104.07 78.59 90 top
GND_VIA#412  VAL**  [GND_VIA]  101.86 80.78 90 top
GND_VIA#413  VAL**  [GND_VIA]  101.25 81.39 90 top
GND_VIA#414  VAL**  [GND_VIA]  103.06 109.37 0 top
GND_VIA#415  VAL**  [GND_VIA]  113.56 104.53 0 top
GND_VIA#416  VAL**  [GND_VIA]  113.57 105.53 0 top
GND_VIA#417  VAL**  [GND_VIA]  113.58 106.53 0 top
GND_VIA#418  VAL**  [GND_VIA]  113.58 107.52 0 top
GND_VIA#419  VAL**  [GND_VIA]  107.67 104.88 0 top
GND_VIA#420  VAL**  [GND_VIA]  107.66 105.75 0 top
GND_VIA#421  VAL**  [GND_VIA]  107.63 106.64 0 top
GND_VIA#422  VAL**  [GND_VIA]  109.82 107.63 0 top
GND_VIA#423  VAL**  [GND_VIA]  115.1 115.72 0 top
GND_VIA#424  VAL**  [GND_VIA]  115.13 116.89 0 top
GND_VIA#425  VAL**  [GND_VIA]  115.11 114.68 0 top
GND_VIA#426  VAL**  [GND_VIA]  112.03 118.37 0 top
GND_VIA#427  VAL**  [GND_VIA]  110.58 120.97 0 top
GND_VIA#428  VAL**  [GND_VIA]  110.2 116.57 0 top
GND_VIA#429  VAL**  [GND_VIA]  111.71 111.67 0 top
GND_VIA#430  VAL**  [GND_VIA]  108.63 102.95 0 top
GND_VIA#431  VAL**  [GND_VIA]  115.62 98.16 0 top
GND_VIA#432  VAL**  [GND_VIA]  104.22 111.37 0 top
GND_VIA#433  VAL**  [GND_VIA]  114.93 121.09 0 top
GND_VIA#434  VAL**  [GND_VIA]  98.56 125.72 0 top
GND_VIA#435  VAL**  [GND_VIA]  87.23 75.28 90 top
GND_VIA#436  VAL**  [GND_VIA]  91.3 75.28 90 top
GND_VIA#437  VAL**  [GND_VIA]  89.3 75.28 90 top
GND_VIA#438  VAL**  [GND_VIA]  90.3 75.28 90 top
GND_VIA#439  VAL**  [GND_VIA]  88.3 75.28 90 top
GND_VIA#440  VAL**  [GND_VIA]  88.73 71.77 90 top
GND_VIA#441  VAL**  [GND_VIA]  90.73 71.77 90 top
GND_VIA#442  VAL**  [GND_VIA]  89.73 71.77 90 top
GND_VIA#443  VAL**  [GND_VIA]  91.73 71.77 90 top
GND_VIA#444  VAL**  [GND_VIA]  92.73 71.77 90 top
GND_VIA#445  VAL**  [GND_VIA]  72.26 77.39 90 top
GND_VIA#446  VAL**  [GND_VIA]  77.65 63.33 90 top
GND_VIA#447  VAL**  [GND_VIA]  74.12 62.14 90 top
GND_VIA#448  VAL**  [GND_VIA]  92.29 68.77 180 top
GND_VIA#449  VAL**  [GND_VIA]  88.98 69.57 180 top
GND_VIA#450  VAL**  [GND_VIA]  86.08 67.48 180 top
GND_VIA#451  VAL**  [GND_VIA]  85.78 69.23 90 top
GND_VIA#452  VAL**  [GND_VIA]  86.87 68.32 90 top
GND_VIA#453  VAL**  [GND_VIA]  80.21 69.11 90 top
GND_VIA#454  VAL**  [GND_VIA]  74.12 69.08 90 top
GND_VIA#455  VAL**  [GND_VIA]  72.12 69.08 90 top
GND_VIA#456  VAL**  [GND_VIA]  73.12 69.08 90 top
GND_VIA#457  VAL**  [GND_VIA]  76.11 69.08 90 top
GND_VIA#458  VAL**  [GND_VIA]  75.11 69.08 90 top
GND_VIA#459  VAL**  [GND_VIA]  79.11 69.08 90 top
GND_VIA#460  VAL**  [GND_VIA]  77.11 69.08 90 top
GND_VIA#461  VAL**  [GND_VIA]  78.11 69.08 90 top
GND_VIA#462  VAL**  [GND_VIA]  76.2 65.33 90 top
GND_VIA#463  VAL**  [GND_VIA]  45.87 22.85 90 top
GND_VIA#464  VAL**  [GND_VIA]  44.92 22.89 90 top
GND_VIA#465  VAL**  [GND_VIA]  46.95 22.85 90 top
GND_VIA#466  VAL**  [GND_VIA]  50.64 22.93 90 top
GND_VIA#467  VAL**  [GND_VIA]  49.64 22.93 90 top
GND_VIA#468  VAL**  [GND_VIA]  52.64 22.93 90 top
GND_VIA#469  VAL**  [GND_VIA]  53.64 22.93 90 top
GND_VIA#470  VAL**  [GND_VIA]  44.19 23.34 90 top
GND_VIA#471  VAL**  [GND_VIA]  43.19 23.34 90 top
GND_VIA#472  VAL**  [GND_VIA]  42.19 23.34 90 top
GND_VIA#473  VAL**  [GND_VIA]  40.19 23.34 90 top
GND_VIA#474  VAL**  [GND_VIA]  41.19 23.34 90 top
GND_VIA#475  VAL**  [GND_VIA]  37.19 23.34 90 top
